# Altium PCB EPS.PcbDoc (part 2 of 11) (continued)
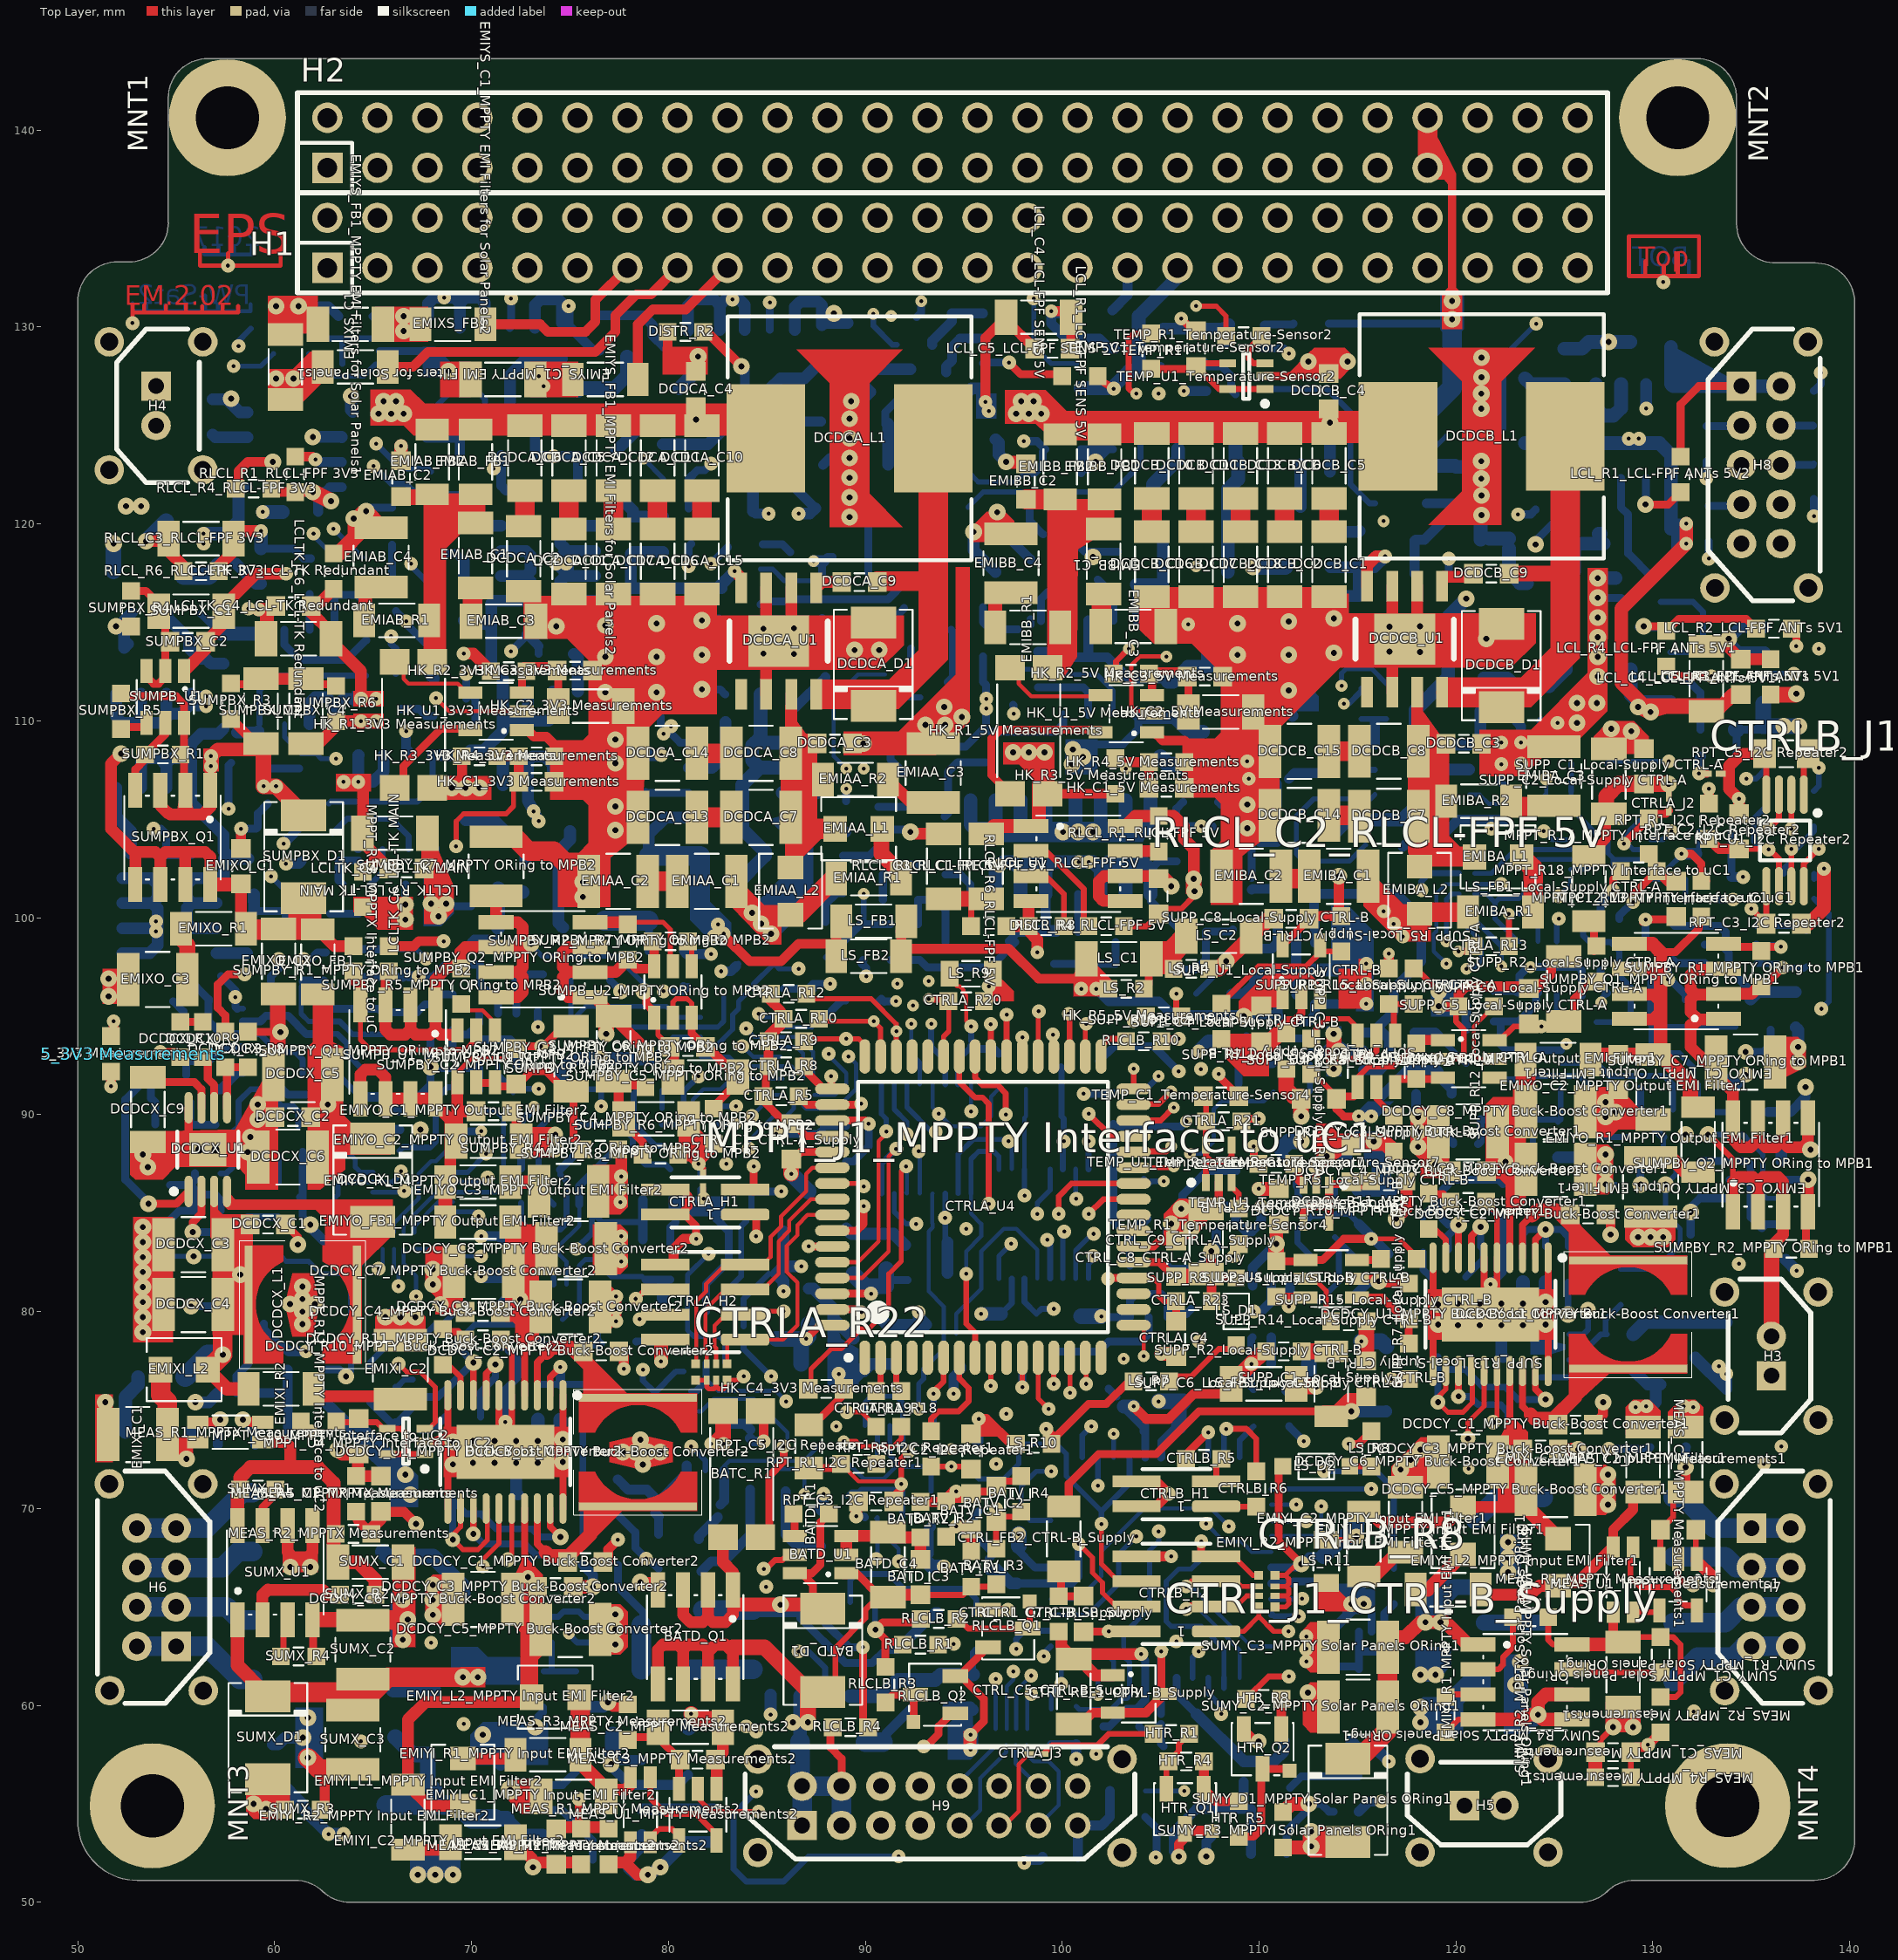
[diagram p0: Top Layer view]
## Components (designator, comment, footprint, x,y, rotation, side; value= is the part's Value field where it differs from the comment) (continued)
"EMIYS_C1_MPPTY EMI Filters for Solar Panels1" "1u/25V" SMD_Capacitor_1206 60.541,127.979 r90 top (schematic designator EMIYS_C1)
"EMIYS_C1_MPPTY EMI Filters for Solar Panels2" "1u/25V" SMD_Capacitor_1206 71.59,127.343 r180 top (schematic designator EMIYS_C1)
"EMIYS_C2_MPPTY EMI Filters for Solar Panels1" "1u/25V" SMD_Capacitor_1206 118.834,64.224 r270 bottom (schematic designator EMIYS_C2)
"EMIYS_C2_MPPTY EMI Filters for Solar Panels2" "1u/25V" SMD_Capacitor_1206 64.478,58.382 r180 bottom (schematic designator EMIYS_C2)
"EMIYS_FB1_MPPTY EMI Filters for Solar Panels1" "120R/100MHz" SMD_FerriteBead_1206 64.097,127.978 r0 top (schematic designator EMIYS_FB1)
"EMIYS_FB1_MPPTY EMI Filters for Solar Panels2" "120R/100MHz" SMD_FerriteBead_1206 76.797,127.343 r0 top (schematic designator EMIYS_FB1)
"EMIYS_FB2_MPPTY EMI Filters for Solar Panels1" "120R/100MHz" SMD_FerriteBead_1206 120.993,67.78 r90 bottom (schematic designator EMIYS_FB2)
"EMIYS_FB2_MPPTY EMI Filters for Solar Panels2" "120R/100MHz" SMD_FerriteBead_1206 67.78,59.144 r90 bottom (schematic designator EMIYS_FB2)
"EMIYS_T1_MPPTY EMI Filters for Solar Panels1" "2x10mR/5A" TDK_ACM7060 127.724,69.05 r180 bottom (schematic designator EMIYS_T1)
"EMIYS_T1_MPPTY EMI Filters for Solar Panels2" "2x10mR/5A" TDK_ACM7060 62.192,62.827 r0 bottom (schematic designator EMIYS_T1)
H1 "Samtec Header ESQ-126-39-G-D" Samtec_ESQ-126-39-G-D 62.676,133.008 r0 top locked
H2 "Samtec Header ESQ-126-39-G-D" Samtec_ESQ-126-39-G-D 62.676,138.088 r0 top locked
H3 "KILL-A" Harwin_Datamate_L-Tek_M80-8770222 136.017,76.74 r90 top locked value="Harwin DataMate L-Tek 1x2pin"
H4 "KILL-B" Harwin_Datamate_L-Tek_M80-8770222 53.975,127 r270 top value="Harwin DataMate L-Tek 1x2pin"
H5 "RBL-NO" Harwin_Datamate_L-Tek_M80-8770222 120.426,54.915 r0 top locked value="Harwin DataMate L-Tek 1x2pin"
H6 "PanelsX+Y-" Harwin_Datamate_L-Tek_M80-8670805 55,63 r90 top locked value="Harwin DataMate L-Tek 2x4pin"
H7 "PanelsX-Y+" Harwin_Datamate_L-Tek_M80-8670805 135,69 r270 top locked value="Harwin DataMate L-Tek 2x4pin"
H8 "ANTenna" Harwin_Datamate_L-Tek_M80-8671005 134.5,127 r270 top locked value="Harwin DataMate L-Tek 2x5pin"
H9 "BatteryPack" Harwin_Datamate_L-Tek_M80-8531642 86.79,53.898 r0 top locked
"HK_C1_3V3 Measurements" "100n/50V" SMD_Capacitor_0603 73.3,106.9 r0 top (schematic designator HK_C1)
"HK_C1_5V Measurements" "100n/50V" SMD_Capacitor_0603 105.3,106.6 r0 top (schematic designator HK_C1)
"HK_C1_VBAT Measurements" "100n/50V" SMD_Capacitor_0603 109.347,129.159 r180 bottom (schematic designator HK_C1)
"HK_C2_3V3 Measurements" "10u/16V" SMD_Capacitor_1206 76.05,110.75 r0 top (schematic designator HK_C2)
"HK_C2_5V Measurements" "10u/16V" SMD_Capacitor_1206 108.05,110.45 r0 top (schematic designator HK_C2)
"HK_C2_VBAT Measurements" "10u/16V" SMD_Capacitor_1206 119.6,119.2 r0 bottom (schematic designator HK_C2)
"HK_C3_3V3 Measurements" "100n/50V" SMD_Capacitor_0603 75.25,112.55 r0 top (schematic designator HK_C3)
"HK_C3_5V Measurements" "100n/50V" SMD_Capacitor_0603 107.25,112.25 r0 top (schematic designator HK_C3)
"HK_C3_VBAT Measurements" "100n/50V" SMD_Capacitor_0603 120,122 r90 bottom (schematic designator HK_C3)
"HK_C4_3V3 Measurements" "10n/50V" SMD_Capacitor_0603 88.011,76.073 r0 top (schematic designator HK_C4)
"HK_C4_5V Measurements" "10n/50V" SMD_Capacitor_0603 96.647,92.202 r90 bottom (schematic designator HK_C4)
"HK_C4_VBAT Measurements" "10n/50V" SMD_Capacitor_0603 92.329,77.343 r180 bottom (schematic designator HK_C4)
"HK_R1_3V3 Measurements" "0.033R/1%" SMD_Resistor-shunt_2512 67.05,109.8 r270 top (schematic designator HK_R1)
"HK_R1_5V Measurements" "0.033R/1%" SMD_Resistor-shunt_2512 98.3,109.5 r270 top (schematic designator HK_R1)
"HK_R1_VBAT Measurements" "0.033R/1%" SMD_Resistor-shunt_2512 113.538,125.857 r0 bottom (schematic designator HK_R1)
"HK_R2_3V3 Measurements" "100R" SMD_Resistor_0603 71.882,112.522 r0 top (schematic designator HK_R2)
"HK_R2_5V Measurements" "100R" SMD_Resistor_0603 103.505,112.395 r0 top (schematic designator HK_R2)
"HK_R2_VBAT Measurements" "100R" SMD_Resistor_0603 118.745,117.475 r180 bottom (schematic designator HK_R2)
"HK_R3_3V3 Measurements" "4.7k/1%" SMD_Resistor_0603 70.4,108.2 r0 top (schematic designator HK_R3)
"HK_R3_5V Measurements" "4.7k/1%" SMD_Resistor_0603 102.7,107.2 r90 top (schematic designator HK_R3)
"HK_R3_VBAT Measurements" "4.7k/1%" SMD_Resistor_0603 112.649,130.175 r180 bottom (schematic designator HK_R3)
"HK_R4_3V3 Measurements" "2.2k/1%" SMD_Resistor_0603 73.3,108.2 r0 top (schematic designator HK_R4)
"HK_R4_5V Measurements" "2.2k/1%" SMD_Resistor_0603 105.3,107.9 r0 top (schematic designator HK_R4)
"HK_R4_VBAT Measurements" "2.2k/1%" SMD_Resistor_0603 109.347,130.302 r180 bottom (schematic designator HK_R4)
"HK_R5_3V3 Measurements" "1k/1%" SMD_Resistor_0603 51.689,93.091 r270 top (schematic designator HK_R5)
"HK_R5_5V Measurements" "1k/1%" SMD_Resistor_0603 105.156,94.996 r180 top (schematic designator HK_R5)
"HK_R5_VBAT Measurements" "1k/1%" SMD_Resistor_0603 120.523,124.46 r0 bottom (schematic designator HK_R5)
"HK_U1_3V3 Measurements" "MAX4372" SOT23-5 71.247,110.49 r180 top (schematic designator HK_U1)
"HK_U1_5V Measurements" "MAX4372" SOT23-5 103.251,110.363 r180 top (schematic designator HK_U1)
"HK_U1_VBAT Measurements" "MAX4372" SOT23-5 117.2,122 r180 bottom (schematic designator HK_U1)
HTR_Q1 "2N2907ACSM" LCC1-4_BEC 106.238,56.053 r180 top
HTR_Q2 "2N2222ACSM" LCC1-4_BEC 110.175,59.101 r180 top
HTR_Q3 "2N7000CSM" LCC1-4_GSD 111.552,54.671 r270 bottom
HTR_R1 "2.2k/1%" SMD_Resistor_0603 105.537,58.547 r180 top
HTR_R2 "1k/1%" SMD_Resistor_0603 106.553,53.34 r180 bottom
HTR_R3 "10k/1%" SMD_Resistor_0603 110.49,52.451 r180 bottom
HTR_R4 "22k/1%" SMD_Resistor_0603 106.299,57.15 r180 top
HTR_R5 "10k/1%" SMD_Resistor_0603 108.966,54.229 r90 top
HTR_R6 "2.2k/1%" SMD_Resistor_0603 115.062,55.499 r90 bottom
HTR_R7 "10k/1%" SMD_Resistor_0603 113.792,55.499 r90 bottom
HTR_R8 "10k/1%" SMD_Resistor_0603 110.236,60.325 r180 top
"LCL_C1_LCL-FPF ANTs 5V1" "10u/16V" SMD_Capacitor_1206 127.216,112.611 r180 bottom (schematic designator LCL_C1)
"LCL_C1_LCL-FPF ANTs 5V2" "10u/16V" SMD_Capacitor_1206 129.121,119.469 r180 bottom (schematic designator LCL_C1)
"LCL_C1_LCL-FPF CAMnadir 3V3" "10u/16V" SMD_Capacitor_1206 89.37,125.057 r0 bottom (schematic designator LCL_C1)
"LCL_C1_LCL-FPF CAMwing 3V3" "10u/16V" SMD_Capacitor_1206 75.4,125.1 r90 bottom (schematic designator LCL_C1)
"LCL_C1_LCL-FPF SENS 5V" "10u/16V" SMD_Capacitor_1206 93.18,123.787 r270 bottom (schematic designator LCL_C1)
"LCL_C1_LCL-FPF SunS 3V3" "10u/16V" SMD_Capacitor_1206 113.4,105.7 r90 bottom (schematic designator LCL_C1)
"LCL_C2_LCL-FPF ANTs 5V1" "100n/50V" SMD_Capacitor_0603 133.35,108.204 r180 bottom (schematic designator LCL_C2)
"LCL_C2_LCL-FPF ANTs 5V2" "100n/50V" SMD_Capacitor_0603 129.921,129.286 r180 bottom (schematic designator LCL_C2)
"LCL_C2_LCL-FPF CAMnadir 3V3" "100n/50V" SMD_Capacitor_0603 89.281,129.286 r270 bottom (schematic designator LCL_C2)
"LCL_C2_LCL-FPF CAMwing 3V3" "100n/50V" SMD_Capacitor_0603 76.5,129.7 r90 bottom (schematic designator LCL_C2)
"LCL_C2_LCL-FPF SENS 5V" "100n/50V" SMD_Capacitor_0603 105.029,128.905 r90 bottom (schematic designator LCL_C2)
"LCL_C2_LCL-FPF SunS 3V3" "100n/50V" SMD_Capacitor_0603 122.517,105.753 r90 bottom (schematic designator LCL_C2)
"LCL_C3_LCL-FPF ANTs 5V1" "10u/16V" SMD_Capacitor_1206 123.914,115.278 r180 bottom (schematic designator LCL_C3)
"LCL_C3_LCL-FPF ANTs 5V2" "10u/16V" SMD_Capacitor_1206 124.337,118.75 r180 bottom (schematic designator LCL_C3)
"LCL_C3_LCL-FPF CAMnadir 3V3" "10u/16V" SMD_Capacitor_1206 89.5,123 r180 bottom (schematic designator LCL_C3)
"LCL_C3_LCL-FPF CAMwing 3V3" "10u/16V" SMD_Capacitor_1206 78.9,126.9 r0 bottom (schematic designator LCL_C3)
"LCL_C3_LCL-FPF SENS 5V" "10u/16V" SMD_Capacitor_1206 91.91,119.977 r180 bottom (schematic designator LCL_C3)
"LCL_C3_LCL-FPF SunS 3V3" "10u/16V" SMD_Capacitor_1206 111.5,108.7 r90 bottom (schematic designator LCL_C3)
"LCL_C4_LCL-FPF ANTs 5V1" "1u/25V" SMD_Capacitor_1206 132.715,112.141 r90 top (schematic designator LCL_C4)
"LCL_C4_LCL-FPF ANTs 5V2" "1u/25V" SMD_Capacitor_1206 123.952,125.603 r90 bottom (schematic designator LCL_C4)
"LCL_C4_LCL-FPF CAMnadir 3V3" "1u/25V" SMD_Capacitor_1206 85.852,120.777 r180 bottom (schematic designator LCL_C4)
"LCL_C4_LCL-FPF CAMwing 3V3" "1u/25V" SMD_Capacitor_1206 73.4,121.7 r180 bottom (schematic designator LCL_C4)
"LCL_C4_LCL-FPF SENS 5V" "1u/25V" SMD_Capacitor_1206 98.8,130.5 r0 top (schematic designator LCL_C4)
"LCL_C4_LCL-FPF SunS 3V3" "1u/25V" SMD_Capacitor_1206 119.6,110.5 r0 bottom (schematic designator LCL_C4)
"LCL_C5_LCL-FPF ANTs 5V1" "100n/50V" SMD_Capacitor_0603 134.455,112.23 r90 top (schematic designator LCL_C5)
"LCL_C5_LCL-FPF ANTs 5V2" "100n/50V" SMD_Capacitor_0603 125.5,125 r90 bottom (schematic designator LCL_C5)
"LCL_C5_LCL-FPF CAMnadir 3V3" "100n/50V" SMD_Capacitor_0603 85.355,122.809 r180 bottom (schematic designator LCL_C5)
"LCL_C5_LCL-FPF CAMwing 3V3" "100n/50V" SMD_Capacitor_0603 72.4,123.5 r180 bottom (schematic designator LCL_C5)
"LCL_C5_LCL-FPF SENS 5V" "100n/50V" SMD_Capacitor_0603 99.5,128.9 r0 top (schematic designator LCL_C5)
"LCL_C5_LCL-FPF SunS 3V3" "100n/50V" SMD_Capacitor_0603 120.5,112.2 r0 bottom (schematic designator LCL_C5)
"LCL_R1_LCL-FPF ANTs 5V1" "220k/1%" SMD_Resistor_0603 133.312,109.563 r0 bottom (schematic designator LCL_R1)
"LCL_R1_LCL-FPF ANTs 5V2" "220k/1%" SMD_Resistor_0603 131.407,122.517 r90 top (schematic designator LCL_R1)
"LCL_R1_LCL-FPF CAMnadir 3V3" "220k/1%" SMD_Resistor_0603 87.8,129.2 r90 bottom (schematic designator LCL_R1)
"LCL_R1_LCL-FPF CAMwing 3V3" "220k/1%" SMD_Resistor_0603 74.6,129.3 r90 bottom (schematic designator LCL_R1)
"LCL_R1_LCL-FPF SENS 5V" "220k/1%" SMD_Resistor_0603 100.9,127.5 r0 top (schematic designator LCL_R1)
"LCL_R1_LCL-FPF SunS 3V3" "220k/1%" SMD_Resistor_0603 116.3,103.7 r0 bottom (schematic designator LCL_R1)
"LCL_R2_LCL-FPF ANTs 5V1" "100k" SMD_Resistor_0603 136.144,114.681 r180 top (schematic designator LCL_R2)
"LCL_R2_LCL-FPF ANTs 5V2" "100k" SMD_Resistor_0603 125.5,121.5 r90 bottom (schematic designator LCL_R2)
"LCL_R2_LCL-FPF CAMnadir 3V3" "100k" SMD_Resistor_0603 81.026,123.19 r90 bottom (schematic designator LCL_R2)
"LCL_R2_LCL-FPF CAMwing 3V3" "100k" SMD_Resistor_0603 67.945,123.571 r90 bottom (schematic designator LCL_R2)
"LCL_R2_LCL-FPF SENS 5V" "100k" SMD_Resistor_0603 93.5,130.5 r0 bottom (schematic designator LCL_R2)
"LCL_R2_LCL-FPF SunS 3V3" "100k" SMD_Resistor_0603 116.459,110.998 r270 bottom (schematic designator LCL_R2)
"LCL_R3_LCL-FPF ANTs 5V1" "51R" SMD_Resistor_0603 135.979,112.23 r90 top (schematic designator LCL_R3)
"LCL_R3_LCL-FPF ANTs 5V2" "51R" SMD_Resistor_0603 125.5,128 r270 bottom (schematic designator LCL_R3)
"LCL_R3_LCL-FPF CAMnadir 3V3" "51R" SMD_Resistor_0603 80.1,129.8 r0 bottom (schematic designator LCL_R3)
"LCL_R3_LCL-FPF CAMwing 3V3" "51R" SMD_Resistor_0603 67.78,129.629 r90 bottom (schematic designator LCL_R3)
"LCL_R3_LCL-FPF SENS 5V" "51R" SMD_Resistor_0603 102.7,129.8 r270 bottom (schematic designator LCL_R3)
"LCL_R3_LCL-FPF SunS 3V3" "51R" SMD_Resistor_0603 123.19,110.871 r90 bottom (schematic designator LCL_R3)
"LCL_R4_LCL-FPF ANTs 5V1" "1k" SMD_Resistor_0603 130.683,113.665 r270 top (schematic designator LCL_R4)
"LCL_R4_LCL-FPF ANTs 5V2" "1k" SMD_Resistor_0603 124.041,121.628 r270 bottom (schematic designator LCL_R4)
"LCL_R4_LCL-FPF CAMnadir 3V3" "1k" SMD_Resistor_0603 79.756,123.19 r270 bottom (schematic designator LCL_R4)
"LCL_R4_LCL-FPF CAMwing 3V3" "1k" SMD_Resistor_0603 69.469,122.301 r270 bottom (schematic designator LCL_R4)
"LCL_R4_LCL-FPF SENS 5V" "1k" SMD_Resistor_0603 92.456,129.032 r180 bottom (schematic designator LCL_R4)
"LCL_R4_LCL-FPF SunS 3V3" "1k" SMD_Resistor_0603 115.189,110.744 r90 bottom (schematic designator LCL_R4)
"LCL_R5_LCL-FPF ANTs 5V1" "1M" SMD_Resistor_0603 124.46,110.871 r90 bottom (schematic designator LCL_R5)
"LCL_R5_LCL-FPF ANTs 5V2" "1M" SMD_Resistor_0603 124.5,117 r0 bottom (schematic designator LCL_R5)
"LCL_R5_LCL-FPF CAMnadir 3V3" "1M" SMD_Resistor_0603 91.148,126.708 r0 bottom (schematic designator LCL_R5)
"LCL_R5_LCL-FPF CAMwing 3V3" "1M" SMD_Resistor_0603 77.8,129.7 r270 bottom (schematic designator LCL_R5)
"LCL_R5_LCL-FPF SENS 5V" "1M" SMD_Resistor_0603 95.758,124.206 r180 bottom (schematic designator LCL_R5)
"LCL_R5_LCL-FPF SunS 3V3" "1M" SMD_Resistor_0603 110.9,104.8 r90 bottom (schematic designator LCL_R5)
"LCL_U1_LCL-FPF ANTs 5V1" "FPF2701MX" SOIC-8-N 133.312,112.865 r0 bottom (schematic designator LCL_U1)
"LCL_U1_LCL-FPF ANTs 5V2" "FPF2701MX" SOIC-8-N 129,124.75 r90 bottom (schematic designator LCL_U1)
"LCL_U1_LCL-FPF CAMnadir 3V3" "FPF2701MX" SOIC-8-N 84.5,127.5 r90 bottom (schematic designator LCL_U1)
"LCL_U1_LCL-FPF CAMwing 3V3" "FPF2701MX" SOIC-8-N 71.3,127.6 r90 bottom (schematic designator LCL_U1)
"LCL_U1_LCL-FPF SENS 5V" "FPF2701MX" SOIC-8-N 98.4,128.8 r0 bottom (schematic designator LCL_U1)
"LCL_U1_LCL-FPF SunS 3V3" "FPF2701MX" SOIC-8-N 118.3,106.9 r0 bottom (schematic designator LCL_U1)
"LCLTK_C1_LCL-TK MAIN" "10u/16V" SMD_Capacitor_1206 69.723,101.981 r0 bottom (schematic designator LCLTK_C1)
"LCLTK_C1_LCL-TK Redundant" "10u/16V" SMD_Capacitor_1206 57.658,116.078 r90 bottom (schematic designator LCLTK_C1)
"LCLTK_C2_LCL-TK MAIN" "1u/25V" SMD_Capacitor_1206 69.7,106.6 r270 bottom (schematic designator LCLTK_C2)
"LCLTK_C2_LCL-TK Redundant" "1u/25V" SMD_Capacitor_1206 57.531,110.998 r90 bottom (schematic designator LCLTK_C2)
"LCLTK_C3_LCL-TK MAIN" "10u/16V" SMD_Capacitor_1206 73.025,99.568 r0 bottom (schematic designator LCLTK_C3)
"LCLTK_C3_LCL-TK Redundant" "10u/16V" SMD_Capacitor_1206 53.467,117.602 r180 bottom (schematic designator LCLTK_C3)
"LCLTK_C4_LCL-TK MAIN" "100n/50V" SMD_Capacitor_0603 66.7,102.5 r180 top (schematic designator LCLTK_C4)
"LCLTK_C4_LCL-TK Redundant" "100n/50V" SMD_Capacitor_0603 60.96,115.824 r0 top (schematic designator LCLTK_C4)
"LCLTK_C5_LCL-TK MAIN" "1u/25V" SMD_Capacitor_1206 73.35,104.4 r0 bottom (schematic designator LCLTK_C5)
"LCLTK_C5_LCL-TK Redundant" "1u/25V" SMD_Capacitor_1206 54,113.7 r180 bottom (schematic designator LCLTK_C5)
"LCLTK_C6_LCL-TK MAIN" "1u/25V" SMD_Capacitor_1206 66.1,104.3 r180 top (schematic designator LCLTK_C6)
"LCLTK_C6_LCL-TK Redundant" "1u/25V" SMD_Capacitor_1206 61.214,114.173 r0 top (schematic designator LCLTK_C6)
"LCLTK_Q1_LCL-TK MAIN" "IRF7416" SOIC-8-N_SSSGDDDD 73.9,118 r0 bottom (schematic designator LCLTK_Q1)
"LCLTK_Q1_LCL-TK Redundant" "IRF7416" SOIC-8-N_SSSGDDDD 54.65,100.1 r180 bottom (schematic designator LCLTK_Q1)
"LCLTK_Q2_LCL-TK MAIN" "2N2222ACSM" LCC1-4_BEC 65.659,119.888 r90 bottom (schematic designator LCLTK_Q2)
"LCLTK_Q2_LCL-TK Redundant" "2N2222ACSM" LCC1-4_BEC 62.904,99.187 r270 bottom (schematic designator LCLTK_Q2)
"LCLTK_Q3_LCL-TK MAIN" "IRF7416" SOIC-8-N_SSSGDDDD 73.5,109.1 r270 bottom (schematic designator LCLTK_Q3)
"LCLTK_Q3_LCL-TK Redundant" "IRF7416" SOIC-8-N_SSSGDDDD 53.85,109 r90 bottom (schematic designator LCLTK_Q3)
"LCLTK_Q4_LCL-TK MAIN" "2N2222ACSM" LCC1-4_BEC 67.775,111.2 r90 bottom (schematic designator LCLTK_Q4)
"LCLTK_Q4_LCL-TK Redundant" "2N2222ACSM" LCC1-4_BEC 60.198,106.68 r270 bottom (schematic designator LCLTK_Q4)
"LCLTK_R1_LCL-TK MAIN" "10k/1%" SMD_Resistor_0603 69.596,115.951 r270 bottom (schematic designator LCLTK_R1)
"LCLTK_R1_LCL-TK Redundant" "10k/1%" SMD_Resistor_0603 58.801,102.108 r90 bottom (schematic designator LCLTK_R1)
"LCLTK_R2_LCL-TK MAIN" "220R/1%" SMD_Resistor_0603 69.6,119 r90 bottom (schematic designator LCLTK_R2)
"LCLTK_R2_LCL-TK Redundant" "220R/1%" SMD_Resistor_0603 58.928,99.187 r270 bottom (schematic designator LCLTK_R2)
"LCLTK_R3_LCL-TK MAIN" "10k/1%" SMD_Resistor_0603 67.056,116.84 r0 bottom (schematic designator LCLTK_R3)
"LCLTK_R3_LCL-TK Redundant" "10k/1%" SMD_Resistor_0603 64.135,99.314 r270 bottom (schematic designator LCLTK_R3)
"LCLTK_R4_LCL-TK MAIN" "220k/1%" SMD_Resistor_0603 62.611,105.029 r90 bottom (schematic designator LCLTK_R4)
"LCLTK_R4_LCL-TK Redundant" "220k/1%" SMD_Resistor_0603 64.65,113.2 r270 bottom (schematic designator LCLTK_R4)
"LCLTK_R5_LCL-TK MAIN" "100k" SMD_Resistor_0603 67.056,115.57 r0 bottom (schematic designator LCLTK_R5)
"LCLTK_R5_LCL-TK Redundant" "100k" SMD_Resistor_0603 65.494,99.276 r270 bottom (schematic designator LCLTK_R5)
"LCLTK_R6_LCL-TK MAIN" "100k" SMD_Resistor_0603 62.357,101.6 r0 bottom (schematic designator LCLTK_R6)
"LCLTK_R6_LCL-TK Redundant" "100k" SMD_Resistor_0603 62.992,117.221 r270 bottom (schematic designator LCLTK_R6)
"LCLTK_R7_LCL-TK MAIN" "51R" SMD_Resistor_0603 64.478,101.435 r90 top (schematic designator LCLTK_R7)
"LCLTK_R7_LCL-TK Redundant" "51R" SMD_Resistor_0603 62.992,117.602 r270 top (schematic designator LCLTK_R7)
"LCLTK_R8_LCL-TK MAIN" "220k/1%" SMD_Resistor_0603 65.748,101.689 r180 bottom (schematic designator LCLTK_R8)
"LCLTK_R8_LCL-TK Redundant" "220k/1%" SMD_Resistor_0603 61.595,117.221 r270 bottom (schematic designator LCLTK_R8)
"LCLTK_R9_LCL-TK MAIN" "10k/1%" SMD_Resistor_0603 71.9,114.7 r180 bottom (schematic designator LCLTK_R9)
"LCLTK_R9_LCL-TK Redundant" "10k/1%" SMD_Resistor_0603 56.515,103.251 r0 bottom (schematic designator LCLTK_R9)
"LCLTK_R10_LCL-TK MAIN" "220R/1%" SMD_Resistor_0603 74.422,113.411 r0 bottom (schematic designator LCLTK_R10)
"LCLTK_R10_LCL-TK Redundant" "220R/1%" SMD_Resistor_0603 53.594,103.251 r180 bottom (schematic designator LCLTK_R10)
"LCLTK_R11_LCL-TK MAIN" "10k/1%" SMD_Resistor_0603 66.421,111.633 r90 bottom (schematic designator LCLTK_R11)
"LCLTK_R11_LCL-TK Redundant" "10k/1%" SMD_Resistor_0603 61.341,106.426 r270 bottom (schematic designator LCLTK_R11)
"LCLTK_R12_LCL-TK MAIN" "100k" SMD_Resistor_0603 67.056,113.665 r180 bottom (schematic designator LCLTK_R12)
"LCLTK_R12_LCL-TK Redundant" "100k" SMD_Resistor_0603 60.071,104.521 r0 bottom (schematic designator LCLTK_R12)
"LCLTK_R13_LCL-TK MAIN" "1k" SMD_Resistor_0603 62.3,102.9 r180 bottom (schematic designator LCLTK_R13)
"LCLTK_R13_LCL-TK Redundant" "1k" SMD_Resistor_0603 64.45,117.4 r90 bottom (schematic designator LCLTK_R13)
"LCLTK_R14_LCL-TK MAIN" "1M" SMD_Resistor_0603 73.495,101.308 r180 bottom (schematic designator LCLTK_R14)
"LCLTK_R14_LCL-TK Redundant" "1M" SMD_Resistor_0603 59.309,117.856 r270 bottom (schematic designator LCLTK_R14)
"LCLTK_R15_LCL-TK MAIN" "1M" SMD_Resistor_0603 73.622,102.578 r180 bottom (schematic designator LCLTK_R15)
"LCLTK_R15_LCL-TK Redundant" "1M" SMD_Resistor_0603 53.65,115.5 r0 bottom (schematic designator LCLTK_R15)
"LCLTK_R16_LCL-TK MAIN" "1M" SMD_Resistor_0603 69.85,99.695 r90 bottom (schematic designator LCLTK_R16)
"LCLTK_R16_LCL-TK Redundant" "1M" SMD_Resistor_0603 56.261,116.459 r270 bottom (schematic designator LCLTK_R16)
"LCLTK_U1_LCL-TK MAIN" "FPF2701MX" SOIC-8-N 66.1,105.9 r90 bottom (schematic designator LCLTK_U1)
"LCLTK_U1_LCL-TK Redundant" "FPF2701MX" SOIC-8-N 61.15,112.2 r270 bottom (schematic designator LCLTK_U1)
LS_C1 "10u/16V" SMD_Capacitor_1206 102.87,97.917 r0 top
LS_C2 "10u/16V" SMD_Capacitor_1206 107.95,99.06 r0 top
LS_D1 "1N4148W" SOD-123 108.839,80.01 r90 top
LS_D2 "1N4148W" SOD-123 112.903,72.136 r180 top
LS_FB1 "120R/100MHz" SMD_FerriteBead_1206 90.424,99.822 r0 top
"LS_FB1_Local-Supply CTRL-A" "120R/100MHz" SMD_FerriteBead_1206 126.746,101.473 r90 top (schematic designator LS_FB1)
"LS_FB1_Local-Supply CTRL-B" "120R/100MHz" SMD_FerriteBead_1206 113.665,76.327 r270 top (schematic designator LS_FB1)
LS_FB2 "120R/100MHz" SMD_FerriteBead_1206 90.17,98.044 r0 top
LS_R2 "1M/1%" SMD_Resistor_0603 103.251,96.393 r0 top
LS_R4 "1M/1%" SMD_Resistor_0603 106.553,97.409 r0 top
LS_R7 "100R" SMD_Resistor_0603 104.521,76.454 r180 top
LS_R8 "100R" SMD_Resistor_0603 115.697,73.025 r270 top
LS_R9 "1k" SMD_Resistor_0805 95.377,97.155 r0 top
LS_R10 "10k" SMD_Resistor_0603 98.552,73.279 r0 top
LS_R11 "1k" SMD_Resistor_0805 113.411,67.31 r90 top
"MEAS_C1_MPPTX Measurements" "100n/50V" SMD_Capacitor_0603 65.405,70.739 r90 top (schematic designator MEAS_C1)
"MEAS_C1_MPPTY Measurements1" "100n/50V" SMD_Capacitor_0603 127.978,57.62 r180 top (schematic designator MEAS_C1)
"MEAS_C1_MPPTY Measurements2" "100n/50V" SMD_Capacitor_0603 74.295,52.832 r270 top (schematic designator MEAS_C1)
"MEAS_C2_MPPTX Measurements" "10u/16V" SMD_Capacitor_1206 62.319,73.749 r0 bottom (schematic designator MEAS_C2)
"MEAS_C2_MPPTY Measurements1" "10u/16V" SMD_Capacitor_1206 131.661,72.479 r90 top (schematic designator MEAS_C2)
"MEAS_C2_MPPTY Measurements2" "10u/16V" SMD_Capacitor_1206 81.115,58.89 r0 top (schematic designator MEAS_C2)
"MEAS_C3_MPPTX Measurements" "100n/50V" SMD_Capacitor_0603 61.557,75.781 r0 bottom (schematic designator MEAS_C3)
"MEAS_C3_MPPTY Measurements1" "100n/50V" SMD_Capacitor_0603 131.28,68.923 r0 top (schematic designator MEAS_C3)
"MEAS_C3_MPPTY Measurements2" "100n/50V" SMD_Capacitor_0603 81.485,57.239 r0 top (schematic designator MEAS_C3)
"MEAS_R1_MPPTX Measurements" "0.068R/1%" SMD_Resistor-Shunt_1206 57.747,73.876 r180 top (schematic designator MEAS_R1)
"MEAS_R1_MPPTY Measurements1" "0.068R/1%" SMD_Resistor-Shunt_1206 128.486,66.383 r90 top (schematic designator MEAS_R1)
"MEAS_R1_MPPTY Measurements2" "0.068R/1%" SMD_Resistor-Shunt_1206 78.575,54.699 r90 top (schematic designator MEAS_R1)
"MEAS_R2_MPPTX Measurements" "4.7k/1%" SMD_Resistor_0603 64.008,68.707 r0 top (schematic designator MEAS_R2)
"MEAS_R2_MPPTY Measurements1" "4.7k/1%" SMD_Resistor_0603 130.391,59.525 r270 top (schematic designator MEAS_R2)
"MEAS_R2_MPPTY Measurements2" "4.7k/1%" SMD_Resistor_0603 76.962,52.832 r90 top (schematic designator MEAS_R2)
"MEAS_R3_MPPTX Measurements" "3.3k/1%" SMD_Resistor_0603 61.595,76.962 r180 bottom (schematic designator MEAS_R3)
"MEAS_R3_MPPTY Measurements1" "3.3k/1%" SMD_Resistor_0603 130.772,73.114 r0 bottom (schematic designator MEAS_R3)
"MEAS_R3_MPPTY Measurements2" "3.3k/1%" SMD_Resistor_0603 77.94,59.144 r270 top (schematic designator MEAS_R3)
"MEAS_R4_MPPTX Measurements" "1k/1%" SMD_Resistor_0603 64.135,70.739 r90 top (schematic designator MEAS_R4)
"MEAS_R4_MPPTY Measurements1" "1k/1%" SMD_Resistor_0603 127.978,56.35 r180 top (schematic designator MEAS_R4)
"MEAS_R4_MPPTY Measurements2" "1k/1%" SMD_Resistor_0603 75.565,52.832 r270 top (schematic designator MEAS_R4)
"MEAS_U1_MPPTX Measurements" "MAX4372F" SOT23-5 58.062,74.551 r270 bottom (schematic designator MEAS_U1)
"MEAS_U1_MPPTY Measurements1" "MAX4372F" SOT23-5 131.28,66.129 r270 top (schematic designator MEAS_U1)
"MEAS_U1_MPPTY Measurements2" "MAX4372F" SOT23-5 81.496,54.445 r270 top (schematic designator MEAS_U1)
MNT1 "Mounting Hole" PC-104_PcbMntHole_M3#1 57.596,140.628 r0 top locked
MNT2 "Mounting Hole" PC-104_PcbMntHole_M3#1 131.257,140.635 r0 top locked
MNT3 "Mounting Hole" PC-104_PcbMntHole_M3#2 53.786,54.899 r0 top locked
MNT4 "Mounting Hole" PC-104_PcbMntHole_M3#2 133.798,54.906 r0 top locked
"MPPT_C1_MPPTX Interface to uC" "Cap" SMD_Capacitor_0603 65.659,93.091 r270 bottom value=10n/25V (schematic designator MPPT_C1)
"MPPT_C1_MPPTY Interface to uC1" "Cap" SMD_Capacitor_0603 131.026,92.418 r270 bottom value=10n/25V (schematic designator MPPT_C1)
"MPPT_C1_MPPTY Interface to uC2" "Cap" SMD_Capacitor_0603 76.289,88.227 r0 bottom value=10n/25V (schematic designator MPPT_C1)
"MPPT_C2_MPPTX Interface to uC" "Cap" SMD_Capacitor_0603 55.753,95.758 r180 bottom value=NC (schematic designator MPPT_C2)
"MPPT_C2_MPPTY Interface to uC1" "Cap" SMD_Capacitor_0603 126.327,88.735 r270 bottom value=NC (schematic designator MPPT_C2)
"MPPT_C2_MPPTY Interface to uC2" "Cap" SMD_Capacitor_0603 79.756,79.502 r270 bottom value=NC (schematic designator MPPT_C2)
"MPPT_C3_MPPTX Interface to uC" "100n/50V" SMD_Capacitor_0603 65.278,90.043 r90 bottom (schematic designator MPPT_C3)
"MPPT_C3_MPPTY Interface to uC1" "100n/50V" SMD_Capacitor_0603 130.264,87.592 r0 bottom (schematic designator MPPT_C3)
"MPPT_C3_MPPTY Interface to uC2" "100n/50V" SMD_Capacitor_0603 79.502,84.582 r180 bottom (schematic designator MPPT_C3)
"MPPT_C4_MPPTX Interface to uC" "Cap" SMD_Capacitor_0603 56.642,93.726 r270 bottom value=1n/25V (schematic designator MPPT_C4)
"MPPT_C4_MPPTY Interface to uC1" "Cap" SMD_Capacitor_0603 123.66,90.767 r270 bottom value=1n/25V (schematic designator MPPT_C4)
"MPPT_C4_MPPTY Interface to uC2" "Cap" SMD_Capacitor_0603 75.4,79.591 r0 bottom value=1n/25V (schematic designator MPPT_C4)
"MPPT_C5_MPPTX Interface to uC" "100n/50V" SMD_Capacitor_0603 64.186,90.043 r270 bottom (schematic designator MPPT_C5)
"MPPT_C5_MPPTY Interface to uC1" "100n/50V" SMD_Capacitor_0603 121.92,95.377 r270 bottom (schematic designator MPPT_C5)
"MPPT_C5_MPPTY Interface to uC2" "100n/50V" SMD_Capacitor_0603 71.628,82.804 r270 bottom (schematic designator MPPT_C5)
"MPPT_C6_MPPTX Interface to uC" "Cap" SMD_Capacitor_0603 65.405,96.139 r270 bottom value=10n/25V (schematic designator MPPT_C6)
"MPPT_C6_MPPTY Interface to uC1" "Cap" SMD_Capacitor_0603 129.667,98.298 r270 bottom value=10n/25V (schematic designator MPPT_C6)
"MPPT_C6_MPPTY Interface to uC2" "Cap" SMD_Capacitor_0603 80.264,86.487 r90 bottom value=10n/25V (schematic designator MPPT_C6)
"MPPT_C7_MPPTX Interface to uC" "Cap" SMD_Capacitor_0603 58.293,79.502 r0 bottom value=10n/25V (schematic designator MPPT_C7)
"MPPT_C7_MPPTY Interface to uC1" "Cap" SMD_Capacitor_0603 126.746,106.426 r180 bottom value=10n/25V (schematic designator MPPT_C7)
"MPPT_C7_MPPTY Interface to uC2" "Cap" SMD_Capacitor_0603 87.376,95.504 r270 bottom value=10n/25V (schematic designator MPPT_C7)
"MPPT_C8_MPPTX Interface to uC" "100n/50V" SMD_Capacitor_0603 63.208,83.782 r270 bottom (schematic designator MPPT_C8)
"MPPT_C8_MPPTY Interface to uC1" "100n/50V" SMD_Capacitor_0603 128.74,105.245 r180 bottom (schematic designator MPPT_C8)
"MPPT_C8_MPPTY Interface to uC2" "100n/50V" SMD_Capacitor_0603 84.963,96.266 r0 bottom (schematic designator MPPT_C8)
"MPPT_C9_MPPTX Interface to uC" "Cap" SMD_Capacitor_0603 62.103,88.24 r0 bottom value=10n/25V (schematic designator MPPT_C9)
"MPPT_C9_MPPTY Interface to uC1" "Cap" SMD_Capacitor_0603 132.842,101.981 r180 bottom value=10n/25V (schematic designator MPPT_C9)
"MPPT_C9_MPPTY Interface to uC2" "Cap" SMD_Capacitor_0603 75.057,93.853 r90 bottom value=10n/25V (schematic designator MPPT_C9)
"MPPT_C10_MPPTX Interface to uC" "100n/50V" SMD_Capacitor_0603 54.699,87.338 r90 bottom (schematic designator MPPT_C10)
"MPPT_C10_MPPTY Interface to uC1" "100n/50V" SMD_Capacitor_0603 124.295,77.559 r90 bottom (schematic designator MPPT_C10)
"MPPT_C10_MPPTY Interface to uC2" "100n/50V" SMD_Capacitor_0603 64.262,73.66 r270 top (schematic designator MPPT_C10)
"MPPT_C11_MPPTX Interface to uC" "Cap" SMD_Capacitor_0603 62.23,86.995 r0 bottom value=10n/25V (schematic designator MPPT_C11)
"MPPT_C11_MPPTY Interface to uC1" "Cap" SMD_Capacitor_0603 133.223,103.251 r180 bottom value=10n/25V (schematic designator MPPT_C11)
"MPPT_C11_MPPTY Interface to uC2" "Cap" SMD_Capacitor_0603 79.121,93.726 r90 bottom value=10n/25V (schematic designator MPPT_C11)
"MPPT_C12_MPPTX Interface to uC" "Cap" SMD_Capacitor_0603 71.336,96.482 r0 bottom value=100n/50V (schematic designator MPPT_C12)
"MPPT_C12_MPPTY Interface to uC1" "Cap" SMD_Capacitor_0603 131.191,100.965 r90 top value=100n/50V (schematic designator MPPT_C12)
"MPPT_C12_MPPTY Interface to uC2" "Cap" SMD_Capacitor_0603 83.312,84.963 r0 bottom value=100n/50V (schematic designator MPPT_C12)
"MPPT_J1_MPPTX Interface to uC" "2 way net tie junction" 2way_LP 128.575,86.436 r0 bottom net-tie (schematic designator MPPT_J1)
"MPPT_J1_MPPTY Interface to uC1" "2 way net tie junction" 2way_LP 81.763,86.614 r270 top net-tie (schematic designator MPPT_J1)
"MPPT_J1_MPPTY Interface to uC2" "2 way net tie junction" 2way_LP 81.61,86.563 r270 bottom net-tie (schematic designator MPPT_J1)
"MPPT_R1_MPPTX Interface to uC" "47k/1%" SMD_Resistor_0603 60.579,96.774 r180 bottom (schematic designator MPPT_R1)
"MPPT_R1_MPPTY Interface to uC1" "47k/1%" SMD_Resistor_0603 134.963,90.132 r0 bottom (schematic designator MPPT_R1)
"MPPT_R1_MPPTY Interface to uC2" "47k/1%" SMD_Resistor_0603 72.517,86.36 r90 bottom (schematic designator MPPT_R1)
"MPPT_R2_MPPTX Interface to uC" "220k/1%" SMD_Resistor_0603 64.478,93.18 r90 bottom (schematic designator MPPT_R2)